# Altium PCB PCB1 - Copy.PcbDoc (part 1 of 2)
Units mil, origin at the board's own origin, x right, y up, seen from the top; angles counter-clockwise.
Board outline 5314.96 x 2362.2 mil, 2 copper layers (Top Layer, Bottom Layer); 259 components, 147 nets, 813 pads, 328 vias.
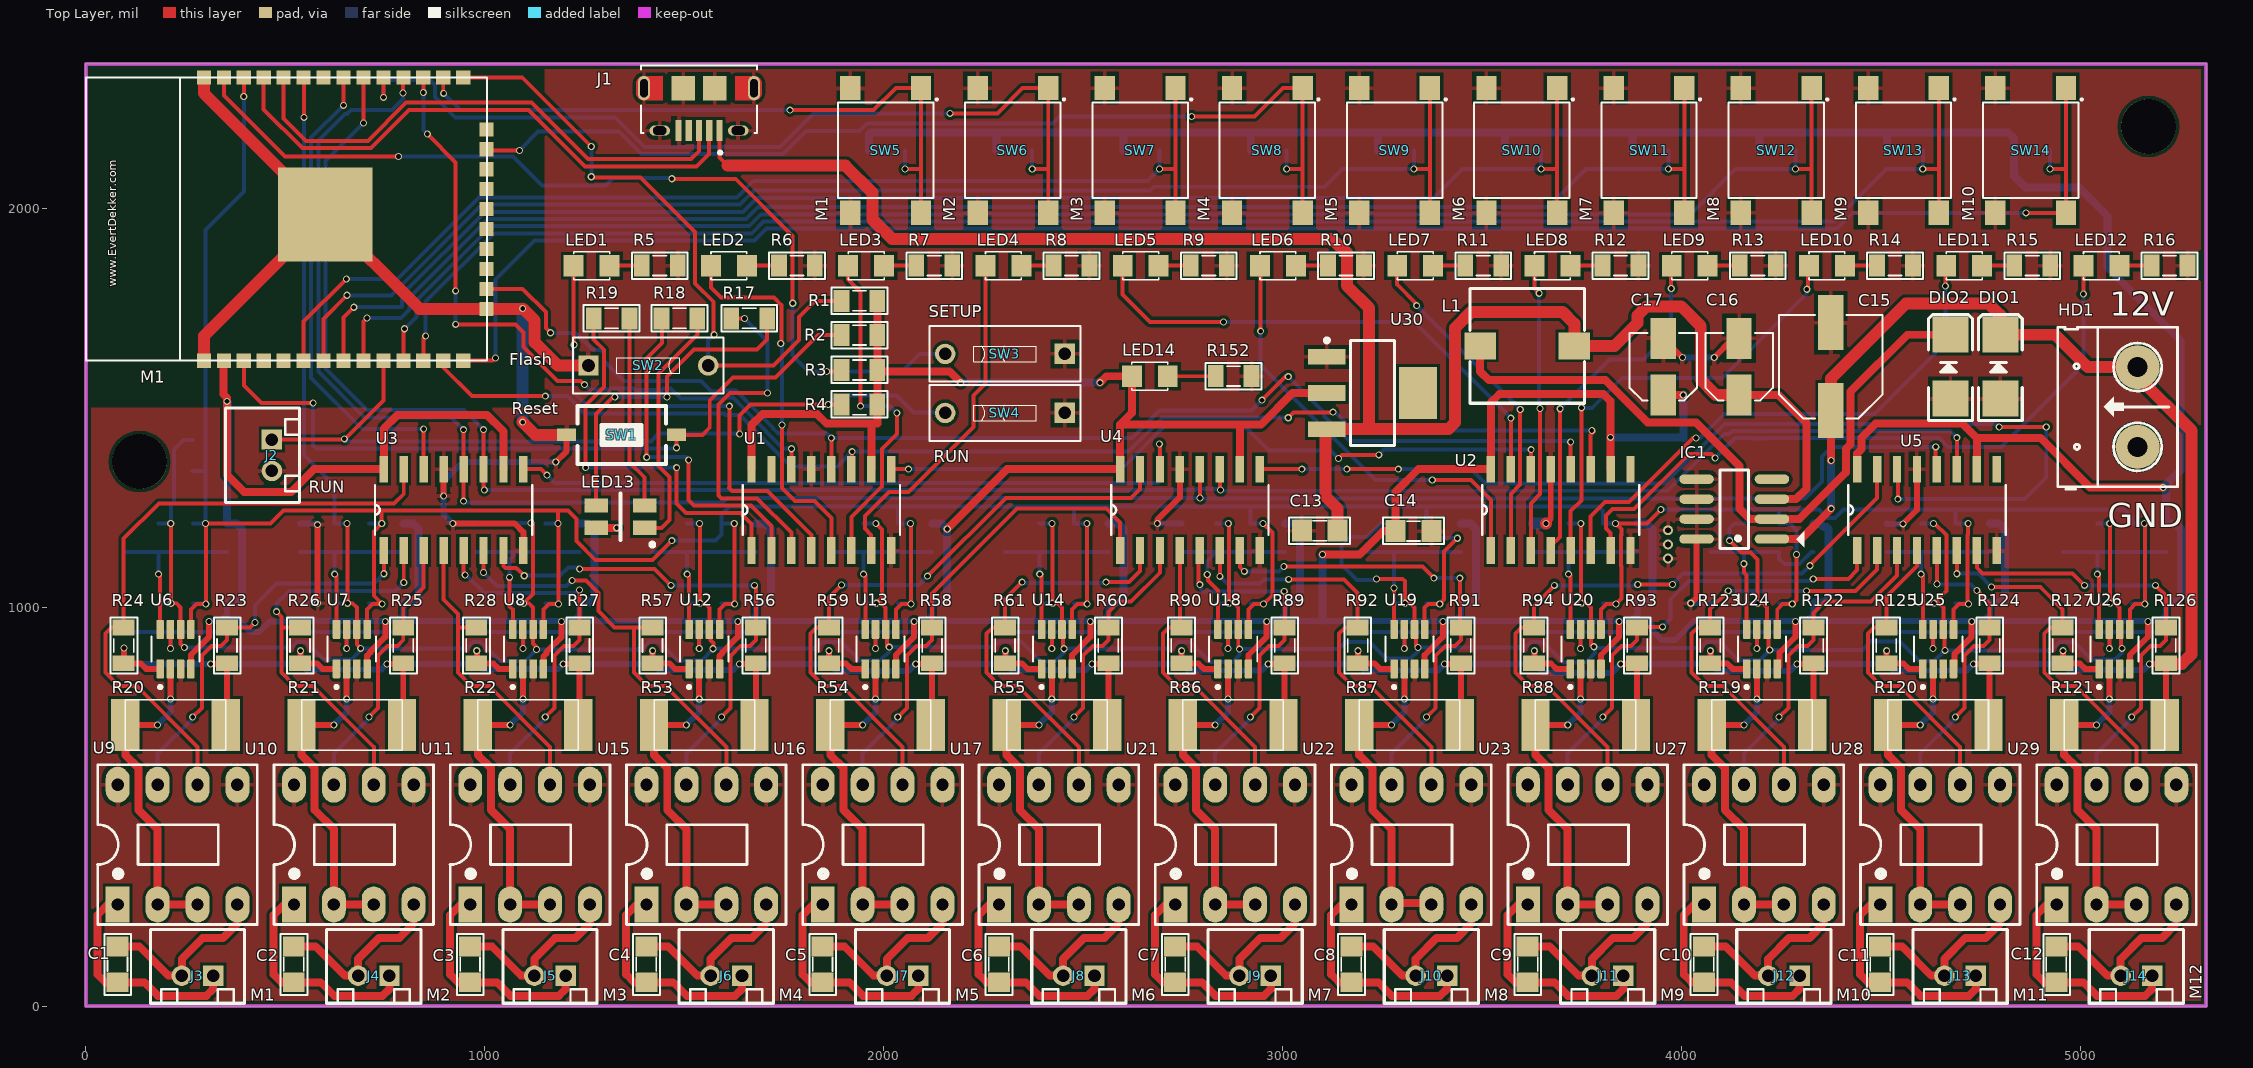
[diagram p0: Top Layer view]
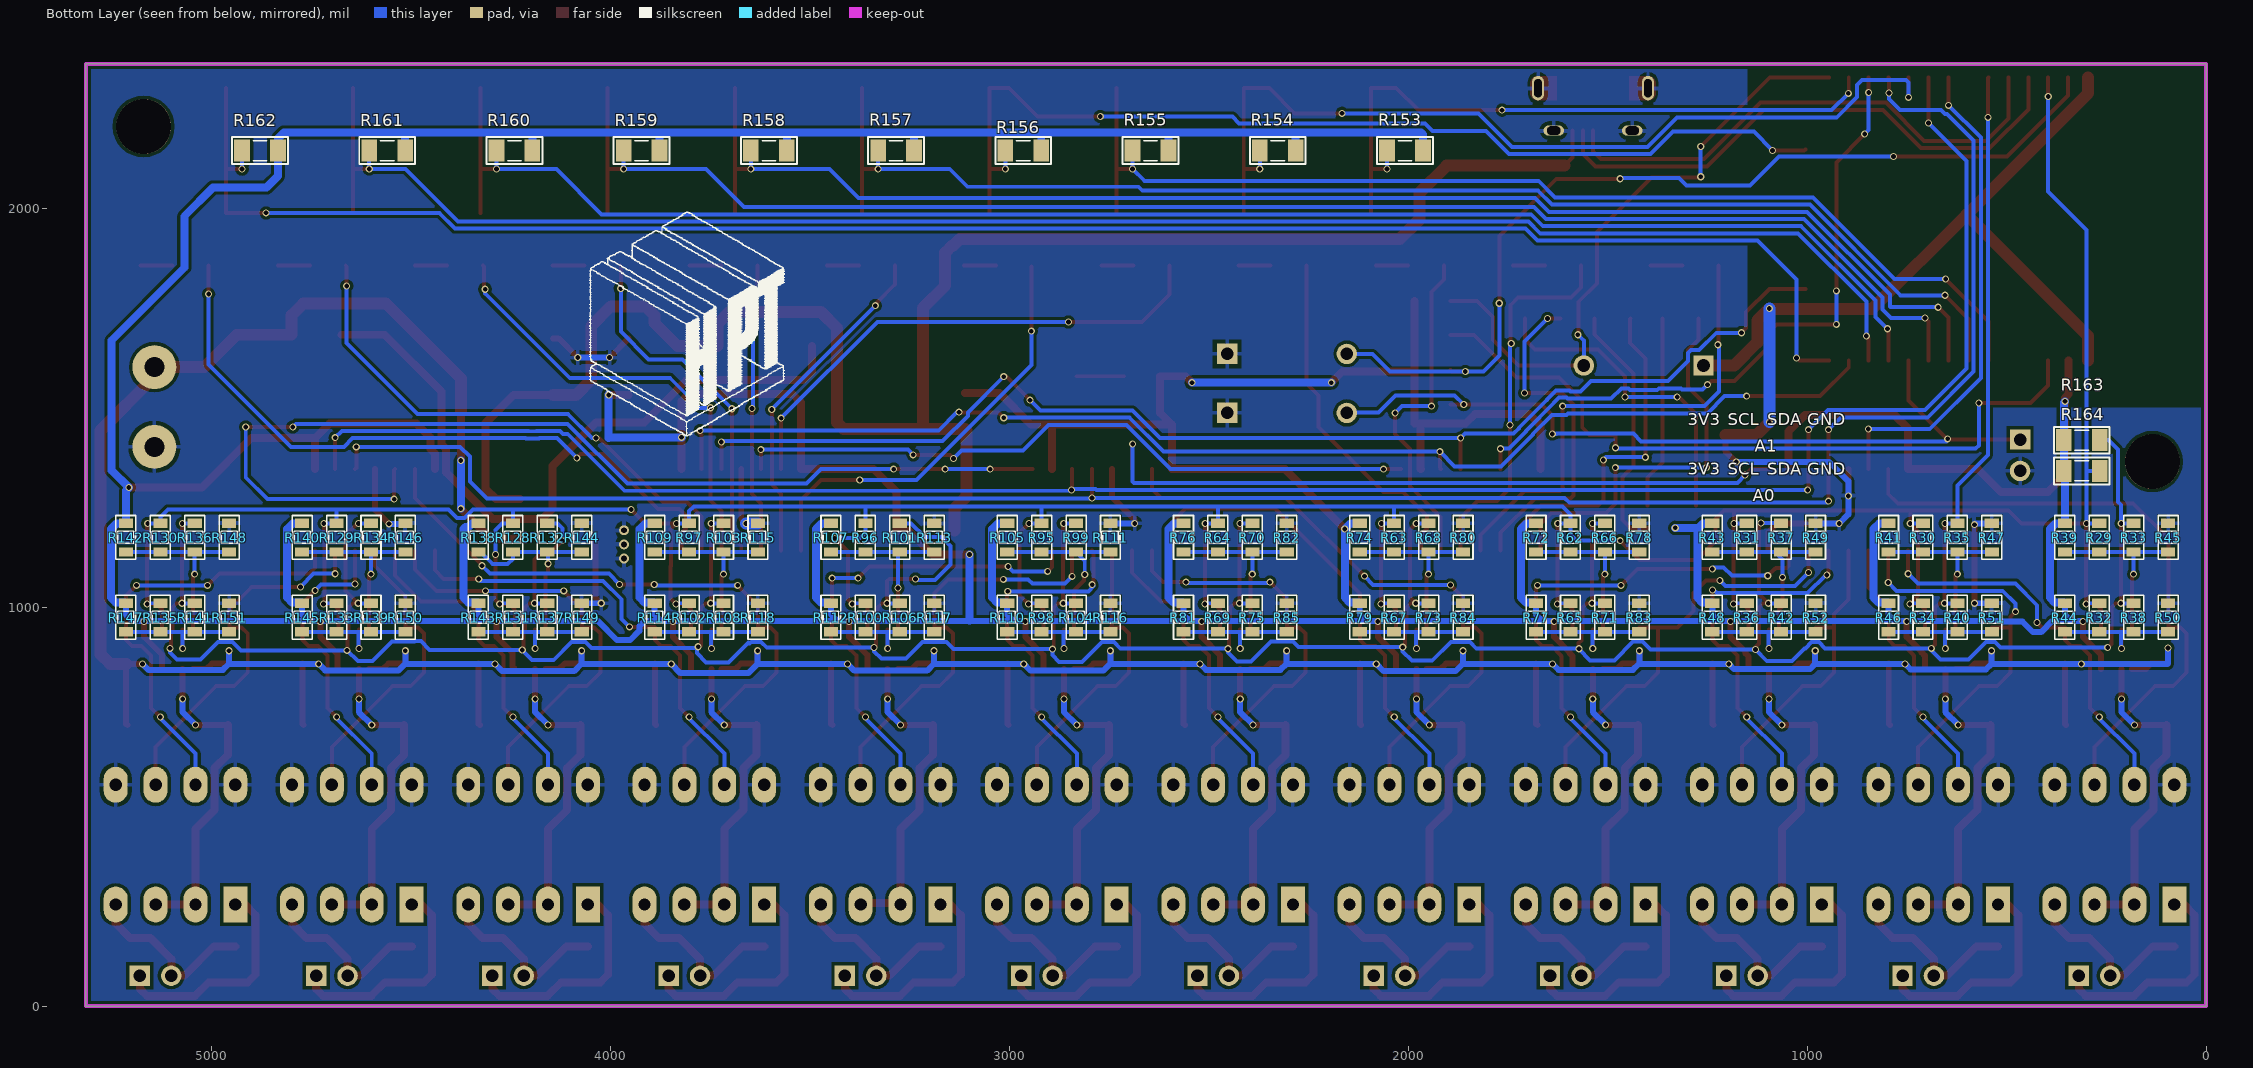
[diagram p1: Bottom Layer view, seen from below]
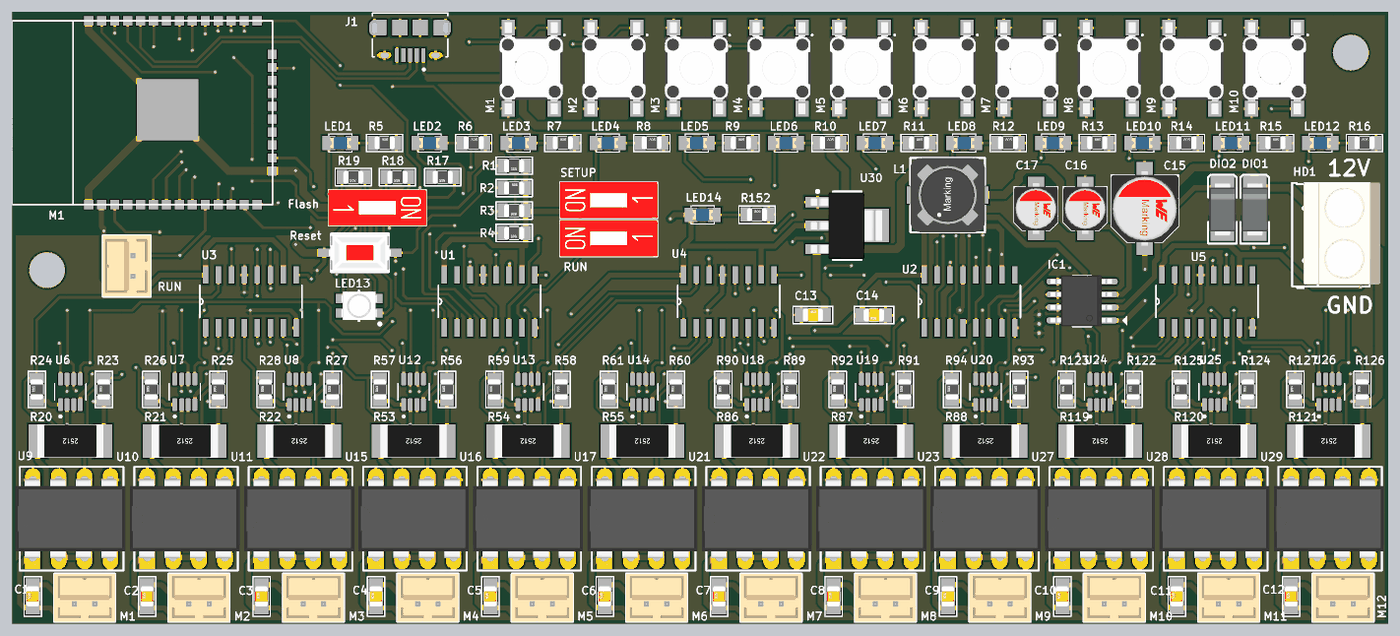
[diagram p3: 3D render of the assembled board from above, using the file's embedded part models]
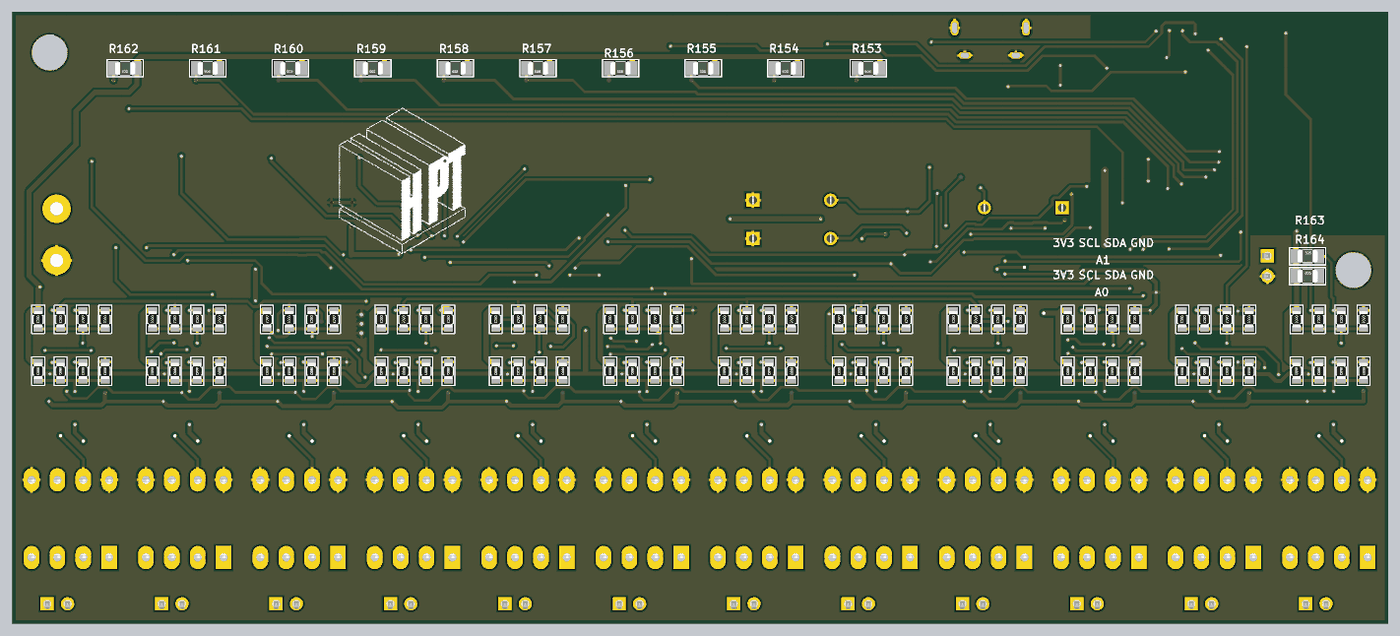
[diagram p4: 3D render of the assembled board from below, using the file's embedded part models]

## Layer stack, top to bottom
Top Solder: solder mask 0.4, Solder Resist, Dk 3.5
Top Layer: signal copper 1.4
Dielectric 1: dielectric 12.6, FR-4, Dk 4.8
Bottom Layer: signal copper 1.4
Bottom Solder: solder mask 0.4, Solder Resist, Dk 3.5

## Board outline
0,0 0,2362.2 5314.96,2362.2 5314.96,0

## Design rules (kind name [scope] priority, off if disabled: settings)
Clearance [All] p1: gap=8
PolygonConnect [All] p1: connectstyle=Relief reliefconductorwidth=10 reliefentries=4 polygonreliefangle="90 Angle" airgapwidth=10
RoomDefinition power [InComponentClass('power')] p1: confinementstyle=ConfineIn formatcopy=TRUE lockcomponents=FALSE outline 5480,1780 9370,1780 9370,2270 5480,2270
RoomDefinition ina219 [InComponentClass('ina219')] p2: confinementstyle=ConfineIn formatcopy=TRUE lockcomponents=FALSE outline 5480,1210 52665,1210 52665,1730 5480,1730
RoomDefinition esp32 [InComponentClass('esp32')] p3: confinementstyle=ConfineIn formatcopy=TRUE lockcomponents=FALSE outline 5480,15 17385,15 17385,1160 5480,1160
RoutingVias [All] p1: holewidth=11.81 width=17.72 viastyle="Through Hole" minholewidth=11.81 minwidth=17.72 maxholewidth=28 maxwidth=50
SolderMaskExpansion [All] p1: expansion=4
Width [All] p1: maxlimit=100 minlimit=8 preferedwidth=8
30 further rules are at their usual default settings.

## Classes and differential pairs
component class esp32: J1 J2 LED1 LED2 LED3 LED4 LED5 LED6 LED7 LED8 LED9 LED10 LED11 LED12 LED13 M1 R1 R2 R3 R4 R5 R6 R7 R8 R9 R10 R11 R12 R13 R14 R15 R16 R17 R18 R19 R153 R154 R155 R156 R157 R158 R159 R160 R161 R162 R163 R164 SW1 SW2 SW3 SW4 SW5 SW6 SW7 SW8 SW9 SW10 SW11 SW12 SW13 SW14 U1 U2 U3 U4 U5
component class ina219: C1 C2 C3 C4 C5 C6 C7 C8 C9 C10 C11 C12 J3 J4 J5 J6 J7 J8 J9 J10 J11 J12 J13 J14 R20 R21 R22 R23 R24 R25 R26 R27 R28 R29 R30 R31 R32 R33 R34 R35 R36 R37 R38 R39 R40 R41 R42 R43 R44 R45 R46 R47 R48 R49 R50 R51 R52 R53 R54 R55 R56 R57 R58 R59 R60 R61 R62 R63 R64 R65 R66 R67 R68 R69 R70 R71 R72 R73 R74 R75 R76 R77 R78 R79 R80 R81 R82 R83 R84 R85 R86 R87 R88 R89 R90 R91 R92 R93 R94 R95 R96 R97 R98 R99 R100 R101 R102 R103 R104 R105 R106 R107 R108 R109 R110 R111 R112 R113 R114 R115 R116 R117 R118 R119 R120 R121 R122 R123 R124 R125 R126 R127 R128 R129 R130 R131 R132 R133 R134 R135 R136 R137 R138 R139 R140 R141 R142 R143 R144 R145 R146 R147 R148 R149 R150 R151 U6 U7 U8 U9 U10 U11 U12 U13 U14 U15 U16 U17 U18 U19 U20 U21 U22 U23 U24 U25 U26 U27 U28 U29
component class power: C13 C14 C15 C16 C17 DIO1 DIO2 HD1 IC1 L1 LED14 R152 U30

## Components (designator, comment, footprint, x,y, rotation, side; value= is the part's Value field where it differs from the comment)
C1 "104" SM-CAP-0805 79.5,60 r90 top
C2 "104" SM-CAP-0805 521.32,60 r90 top
C3 "104" SM-CAP-0805 963.14,60 r90 top
C4 "104" SM-CAP-0805 1404.96,60 r90 top
C5 "104" SM-CAP-0805 1846.77,60 r90 top
C6 "104" SM-CAP-0805 2288.59,60 r90 top
C7 "104" SM-CAP-0805 2730.41,60 r90 top
C8 "104" SM-CAP-0805 3172.23,60 r90 top
C9 "104" SM-CAP-0805 3614.05,60 r90 top
C10 "104" SM-CAP-0805 4055.86,60 r90 top
C11 "104" SM-CAP-0805 4497.68,60 r90 top
C12 "104" SM-CAP-0805 4939.5,60 r90 top
C13 "104" SM-CAP-0805 3048,1192 r0 top
C14 "104" SM-CAP-0805 3373,1191 r180 top
C15 "470uF" CAP-ALU-SMD-6.3x7.7x2.2 4374,1603 r90 top
C16 "CN-ALU-SMD" CAP-ALU-SMD-4.5x5x1.4 4144,1603 r90 top
C17 "CN-ALU-SMD" CAP-ALU-SMD-4.5x5x1.4 3954,1603 r90 top
DIO1 "Diode SMD" DIO-SMD-106 4799,1603 r270 top
DIO2 "Diode SMD" DIO-SMD-106 4674,1603 r270 top
HD1 "Header 2" HED2 5143,1402 r90 top
IC1 "xl1509" SO-8 4132,1246 r180 top
J1 "10118194-0001LF" AMPHENOL_10118194-0001LF 1537,2301 r180 top
J2 "RUN" 62000211622 443,1381 r90 top
J3 "M1" 62000211622 280,100 r0 top
J4 "M2" 62000211622 721.82,100 r0 top
J5 "M3" 62000211622 1163.64,100 r0 top
J6 "M4" 62000211622 1605.46,100 r0 top
J7 "M5" 62000211622 2047.27,100 r0 top
J8 "M6" 62000211622 2489.09,100 r0 top
J9 "M7" 62000211622 2930.91,100 r0 top
J10 "M8" 62000211622 3372.73,100 r0 top
J11 "M9" 62000211622 3814.55,100 r0 top
J12 "M10" 62000211622 4256.36,100 r0 top
J13 "M11" 62000211622 4698.18,100 r0 top
J14 "M12" 62000211622 5140,100 r0 top
L1 "1.0 μH" L-SMD-M-7.3x4.5 3613,1655 r270 top
LED1 "LED" LED-0805-Blue 1223,1856 r0 top
LED2 "LED" LED-0805-Blue 1567.04,1856 r0 top
LED3 "LED" LED-0805-Blue 1911.07,1856 r0 top
LED4 "LED" LED-0805-Blue 2255.11,1856 r0 top
LED5 "LED" LED-0805-Blue 2599.14,1856 r0 top
LED6 "LED" LED-0805-Blue 2943.18,1856 r0 top
LED7 "LED" LED-0805-Blue 3287.21,1856 r0 top
LED8 "LED" LED-0805-Blue 3631.25,1856 r0 top
LED9 "LED" LED-0805-Blue 3975.29,1856 r0 top
LED10 "LED" LED-0805-Blue 4319.32,1856 r0 top
LED11 "LED" LED-0805-Blue 4663.36,1856 r0 top
LED12 "LED" LED-0805-Blue 5007.39,1856 r0 top
LED13 "150141M173100" "LED RGB 3528" 1340.03,1227 r180 top
LED14 "LED" LED-0805-Blue 2622,1579 r0 top
M1 "ESP32S_Module" ESP32S 1006,1618 r90 top
R1 "10K" RES-SMD-0805 1939,1768 r180 top
R2 "10K" RES-SMD-0805 1939,1682.33 r0 top
R3 "10K" RES-SMD-0805 1939,1594.67 r180 top
R4 "10K" RES-SMD-0805 1939,1508 r180 top
R5 "1K" RES-SMD-0805 1438.52,1856.5 r0 top
R6 "1K" RES-SMD-0805 1782.55,1856.5 r0 top
R7 "1K" RES-SMD-0805 2126.59,1856.5 r0 top
R8 "1K" RES-SMD-0805 2470.63,1856.5 r0 top
R9 "1K" RES-SMD-0805 2814.66,1856.5 r0 top
R10 "1K" RES-SMD-0805 3158.7,1856.5 r0 top
R11 "1K" RES-SMD-0805 3502.73,1856.5 r0 top
R12 "1K" RES-SMD-0805 3846.77,1856.5 r0 top
R13 "1K" RES-SMD-0805 4190.8,1856.5 r0 top
R14 "1K" RES-SMD-0805 4534.84,1856.5 r0 top
R15 "1K" RES-SMD-0805 4878.88,1856.5 r0 top
R16 "1K" RES-SMD-0805 5222.91,1856.5 r0 top
R17 "1K" RES-SMD-0805 1663,1724 r180 top
R18 "1K" RES-SMD-0805 1488,1724 r180 top
R19 "1K" RES-SMD-0805 1318,1724 r180 top
R20 "100R" RES-SMD-2512 225,710 r180 top
R21 "100R" RES-SMD-2512 666.82,710 r180 top
R22 "100R" RES-SMD-2512 1108.64,710 r180 top
R23 "10K" RES-SMD-0805 353.91,904.45 r90 top
R24 "10K" RES-SMD-0805 95.08,904.45 r90 top
R25 "10K" RES-SMD-0805 795.73,904.45 r90 top
R26 "10K" RES-SMD-0805 536.9,904.45 r90 top
R27 "10K" RES-SMD-0805 1237.55,904.45 r90 top
R28 "10K" RES-SMD-0805 978.72,904.45 r90 top
R29 "Res" RES-SMD-0603 268.14,1175 r270 bottom
R30 "Res" RES-SMD-0603 709.95,1175 r270 bottom
R31 "Res" RES-SMD-0603 1151.77,1175 r270 bottom
R32 "Res" RES-SMD-0603 268.14,975 r270 bottom
R33 "Res" RES-SMD-0603 181.86,1175 r270 bottom
R34 "Res" RES-SMD-0603 709.95,975 r270 bottom
R35 "Res" RES-SMD-0603 623.68,1175 r270 bottom
R36 "Res" RES-SMD-0603 1151.77,975 r270 bottom
R37 "Res" RES-SMD-0603 1065.49,1175 r270 bottom
R38 "Res" RES-SMD-0603 181.86,975 r270 bottom
R39 "Res" RES-SMD-0603 354.41,1175 r270 bottom
R40 "Res" RES-SMD-0603 623.68,975 r270 bottom
R41 "Res" RES-SMD-0603 796.23,1175 r270 bottom
R42 "Res" RES-SMD-0603 1065.49,975 r270 bottom
R43 "Res" RES-SMD-0603 1238.05,1175 r270 bottom
R44 "Res" RES-SMD-0603 354.41,975 r270 bottom
R45 "Res" RES-SMD-0603 95.58,1175 r270 bottom
R46 "Res" RES-SMD-0603 796.23,975 r270 bottom
R47 "Res" RES-SMD-0603 537.4,1175 r270 bottom
R48 "Res" RES-SMD-0603 1238.05,975 r270 bottom
R49 "Res" RES-SMD-0603 979.22,1175 r270 bottom
R50 "Res" RES-SMD-0603 95.58,975 r270 bottom
R51 "Res" RES-SMD-0603 537.4,975 r270 bottom
R52 "Res" RES-SMD-0603 979.22,975 r270 bottom
R53 "100R" RES-SMD-2512 1550.46,710 r180 top
R54 "100R" RES-SMD-2512 1992.28,710 r180 top
R55 "100R" RES-SMD-2512 2434.09,710 r180 top
R56 "10K" RES-SMD-0805 1679.37,904.45 r90 top
R57 "10K" RES-SMD-0805 1420.53,904.45 r90 top
R58 "10K" RES-SMD-0805 2121.19,904.45 r90 top
R59 "10K" RES-SMD-0805 1862.35,904.45 r90 top
R60 "10K" RES-SMD-0805 2563.01,904.45 r90 top
R61 "10K" RES-SMD-0805 2304.17,904.45 r90 top
R62 "Res" RES-SMD-0603 1593.59,1175 r270 bottom
R63 "Res" RES-SMD-0603 2035.41,1175 r270 bottom
R64 "Res" RES-SMD-0603 2477.23,1175 r270 bottom
R65 "Res" RES-SMD-0603 1593.59,975 r270 bottom
R66 "Res" RES-SMD-0603 1507.31,1175 r270 bottom
R67 "Res" RES-SMD-0603 2035.41,975 r270 bottom
R68 "Res" RES-SMD-0603 1949.13,1175 r270 bottom
R69 "Res" RES-SMD-0603 2477.23,975 r270 bottom
R70 "Res" RES-SMD-0603 2390.95,1175 r270 bottom
R71 "Res" RES-SMD-0603 1507.31,975 r270 bottom
R72 "Res" RES-SMD-0603 1679.87,1175 r270 bottom
R73 "Res" RES-SMD-0603 1949.13,975 r270 bottom
R74 "Res" RES-SMD-0603 2121.69,1175 r270 bottom
R75 "Res" RES-SMD-0603 2390.95,975 r270 bottom
R76 "Res" RES-SMD-0603 2563.51,1175 r270 bottom
R77 "Res" RES-SMD-0603 1679.87,975 r270 bottom
R78 "Res" RES-SMD-0603 1421.03,1175 r270 bottom
R79 "Res" RES-SMD-0603 2121.69,975 r270 bottom
R80 "Res" RES-SMD-0603 1862.85,1175 r270 bottom
R81 "Res" RES-SMD-0603 2563.51,975 r270 bottom
R82 "Res" RES-SMD-0603 2304.67,1175 r270 bottom
R83 "Res" RES-SMD-0603 1421.03,975 r270 bottom
R84 "Res" RES-SMD-0603 1862.85,975 r270 bottom
R85 "Res" RES-SMD-0603 2304.67,975 r270 bottom
R86 "100R" RES-SMD-2512 2875.91,710 r180 top
R87 "100R" RES-SMD-2512 3317.73,710 r180 top
R88 "100R" RES-SMD-2512 3759.55,710 r180 top
R89 "10K" RES-SMD-0805 3004.82,904.45 r90 top
R90 "10K" RES-SMD-0805 2745.99,904.45 r90 top
R91 "10K" RES-SMD-0805 3446.64,904.45 r90 top
R92 "10K" RES-SMD-0805 3187.81,904.45 r90 top
R93 "10K" RES-SMD-0805 3888.46,904.45 r90 top
R94 "10K" RES-SMD-0805 3629.63,904.45 r90 top
R95 "Res" RES-SMD-0603 2919.05,1175 r270 bottom
R96 "Res" RES-SMD-0603 3360.86,1175 r270 bottom
R97 "Res" RES-SMD-0603 3802.68,1175 r270 bottom
R98 "Res" RES-SMD-0603 2919.05,975 r270 bottom
R99 "Res" RES-SMD-0603 2832.77,1175 r270 bottom
R100 "Res" RES-SMD-0603 3360.86,975 r270 bottom
R101 "Res" RES-SMD-0603 3274.59,1175 r270 bottom
R102 "Res" RES-SMD-0603 3802.68,975 r270 bottom
R103 "Res" RES-SMD-0603 3716.4,1175 r270 bottom
R104 "Res" RES-SMD-0603 2832.77,975 r270 bottom
R105 "Res" RES-SMD-0603 3005.32,1175 r270 bottom
R106 "Res" RES-SMD-0603 3274.59,975 r270 bottom
R107 "Res" RES-SMD-0603 3447.14,1175 r270 bottom
R108 "Res" RES-SMD-0603 3716.4,975 r270 bottom
R109 "Res" RES-SMD-0603 3888.96,1175 r270 bottom
R110 "Res" RES-SMD-0603 3005.32,975 r270 bottom
R111 "Res" RES-SMD-0603 2746.49,1175 r270 bottom
R112 "Res" RES-SMD-0603 3447.14,975 r270 bottom
R113 "Res" RES-SMD-0603 3188.31,1175 r270 bottom
R114 "Res" RES-SMD-0603 3888.96,975 r270 bottom
R115 "Res" RES-SMD-0603 3630.13,1175 r270 bottom
R116 "Res" RES-SMD-0603 2746.49,975 r270 bottom
R117 "Res" RES-SMD-0603 3188.31,975 r270 bottom
R118 "Res" RES-SMD-0603 3630.13,975 r270 bottom
R119 "100R" RES-SMD-2512 4201.37,710 r180 top
R120 "100R" RES-SMD-2512 4643.19,710 r180 top
R121 "100R" RES-SMD-2512 5085,710 r180 top
R122 "10K" RES-SMD-0805 4330.28,904.45 r90 top
R123 "10K" RES-SMD-0805 4071.44,904.45 r90 top
R124 "10K" RES-SMD-0805 4772.1,904.45 r90 top
R125 "10K" RES-SMD-0805 4513.26,904.45 r90 top
R126 "10K" RES-SMD-0805 5213.91,904.45 r90 top
R127 "10K" RES-SMD-0805 4955.08,904.45 r90 top
R128 "Res" RES-SMD-0603 4244.5,1175 r270 bottom
R129 "Res" RES-SMD-0603 4686.32,1175 r270 bottom
R130 "Res" RES-SMD-0603 5128.14,1175 r270 bottom
R131 "Res" RES-SMD-0603 4244.5,975 r270 bottom
R132 "Res" RES-SMD-0603 4158.22,1175 r270 bottom
R133 "Res" RES-SMD-0603 4686.32,975 r270 bottom
R134 "Res" RES-SMD-0603 4600.04,1175 r270 bottom
R135 "Res" RES-SMD-0603 5128.14,975 r270 bottom
R136 "Res" RES-SMD-0603 5041.86,1175 r270 bottom
R137 "Res" RES-SMD-0603 4158.22,975 r270 bottom
R138 "Res" RES-SMD-0603 4330.78,1175 r270 bottom
R139 "Res" RES-SMD-0603 4600.04,975 r270 bottom
R140 "Res" RES-SMD-0603 4772.6,1175 r270 bottom
R141 "Res" RES-SMD-0603 5041.86,975 r270 bottom
R142 "Res" RES-SMD-0603 5214.41,1175 r270 bottom
R143 "Res" RES-SMD-0603 4330.78,975 r270 bottom
R144 "Res" RES-SMD-0603 4071.94,1175 r270 bottom
R145 "Res" RES-SMD-0603 4772.6,975 r270 bottom
R146 "Res" RES-SMD-0603 4513.76,1175 r270 bottom
R147 "Res" RES-SMD-0603 5214.41,975 r270 bottom
R148 "Res" RES-SMD-0603 4955.58,1175 r270 bottom
R149 "Res" RES-SMD-0603 4071.94,975 r270 bottom
R150 "Res" RES-SMD-0603 4513.76,975 r270 bottom
R151 "Res" RES-SMD-0603 4955.58,975 r270 bottom
R152 "1K" RES-SMD-0805 2877,1579.5 r0 top
R153 "10K" RES-SMD-0805 2008.4,2144.5 r0 bottom
R154 "10K" RES-SMD-0805 2327.29,2144.5 r0 bottom
R155 "10K" RES-SMD-0805 2646.17,2144.5 r0 bottom
R156 "10K" RES-SMD-0805 2965.06,2144.5 r0 bottom
R157 "10K" RES-SMD-0805 3283.95,2144.5 r0 bottom
R158 "10K" RES-SMD-0805 3602.84,2144.5 r0 bottom
R159 "10K" RES-SMD-0805 3921.73,2144.5 r0 bottom
R160 "10K" RES-SMD-0805 4240.62,2144.5 r0 bottom
R161 "10K" RES-SMD-0805 4559.51,2144.5 r0 bottom
R162 "10K" RES-SMD-0805 4878.4,2144.5 r0 bottom
R163 "4K7" RES-SMD-0805 312,1419 r180 bottom
R164 "4K7" RES-SMD-0805 312,1342 r180 bottom
SW1 "Reset" SW1-SMD 1343,1432 r180 top
SW2 "Flash" SW-DIP1-1 1410,1606 r270 top
SW3 "SETUP" SW-DIP1-1 2304,1635 r90 top
SW4 "RUN" SW-DIP1-1 2304,1487 r90 top
SW5 "M1" SW2-SMD 2005,2145 r270 top
SW6 "M2" SW2-SMD 2323.89,2145 r270 top
SW7 "M3" SW2-SMD 2642.78,2145 r270 top
SW8 "M4" SW2-SMD 2961.67,2145 r270 top
SW9 "M5" SW2-SMD 3280.56,2145 r270 top
SW10 "M6" SW2-SMD 3599.44,2145 r270 top
SW11 "M7" SW2-SMD 3918.33,2145 r270 top
SW12 "M8" SW2-SMD 4237.22,2145 r270 top
SW13 "M9" SW2-SMD 4556.11,2145 r270 top
SW14 "M10" SW2-SMD 4875,2145 r270 top
U1 "74HC595D,118" SOIC127P600X175-16N 1843.75,1244 r90 top
U2 "74HC595D,118" SOIC127P600X175-16N 3697,1244 r90 top
U3 "74HC595D,118" SOIC127P600X175-16N 922,1244 r90 top
U4 "74HC595D,118" SOIC127P600X175-16N 2767.5,1244 r90 top
U5 "74HC595D,118" SOIC127P600X175-16N 4615,1244 r90 top
U6 "INA219BIDCNT" SOT65P280X145-8N 225,895 r90 top
U7 "INA219BIDCNT" SOT65P280X145-8N 666.82,895 r90 top
U8 "INA219BIDCNT" SOT65P280X145-8N 1108.63,895 r90 top
U9 "L9110" DIP8 225,405 r0 top
U10 "L9110" DIP8 666.82,405 r0 top
U11 "L9110" DIP8 1108.64,405 r0 top
U12 "INA219BIDCNT" SOT65P280X145-8N 1550.45,895 r90 top
U13 "INA219BIDCNT" SOT65P280X145-8N 1992.27,895 r90 top
U14 "INA219BIDCNT" SOT65P280X145-8N 2434.09,895 r90 top
U15 "L9110" DIP8 1550.46,405 r0 top
U16 "L9110" DIP8 1992.27,405 r0 top
U17 "L9110" DIP8 2434.09,405 r0 top
U18 "INA219BIDCNT" SOT65P280X145-8N 2875.91,895 r90 top
U19 "INA219BIDCNT" SOT65P280X145-8N 3317.72,895 r90 top
U20 "INA219BIDCNT" SOT65P280X145-8N 3759.54,895 r90 top
U21 "L9110" DIP8 2875.91,405 r0 top
U22 "L9110" DIP8 3317.73,405 r0 top
U23 "L9110" DIP8 3759.55,405 r0 top
U24 "INA219BIDCNT" SOT65P280X145-8N 4201.36,895 r90 top
U25 "INA219BIDCNT" SOT65P280X145-8N 4643.18,895 r90 top
U26 "INA219BIDCNT" SOT65P280X145-8N 5085,895 r90 top
U27 "L9110" DIP8 4201.36,405 r0 top
U28 "L9110" DIP8 4643.18,405 r0 top
U29 "L9110" DIP8 5085,405 r0 top
U30 "LM1117-3.3V" SOT223 3225,1537 r270 top
